# Altium PCB KASLI-DIOT-CPU.PcbDoc (part 1 of 5) (continued)
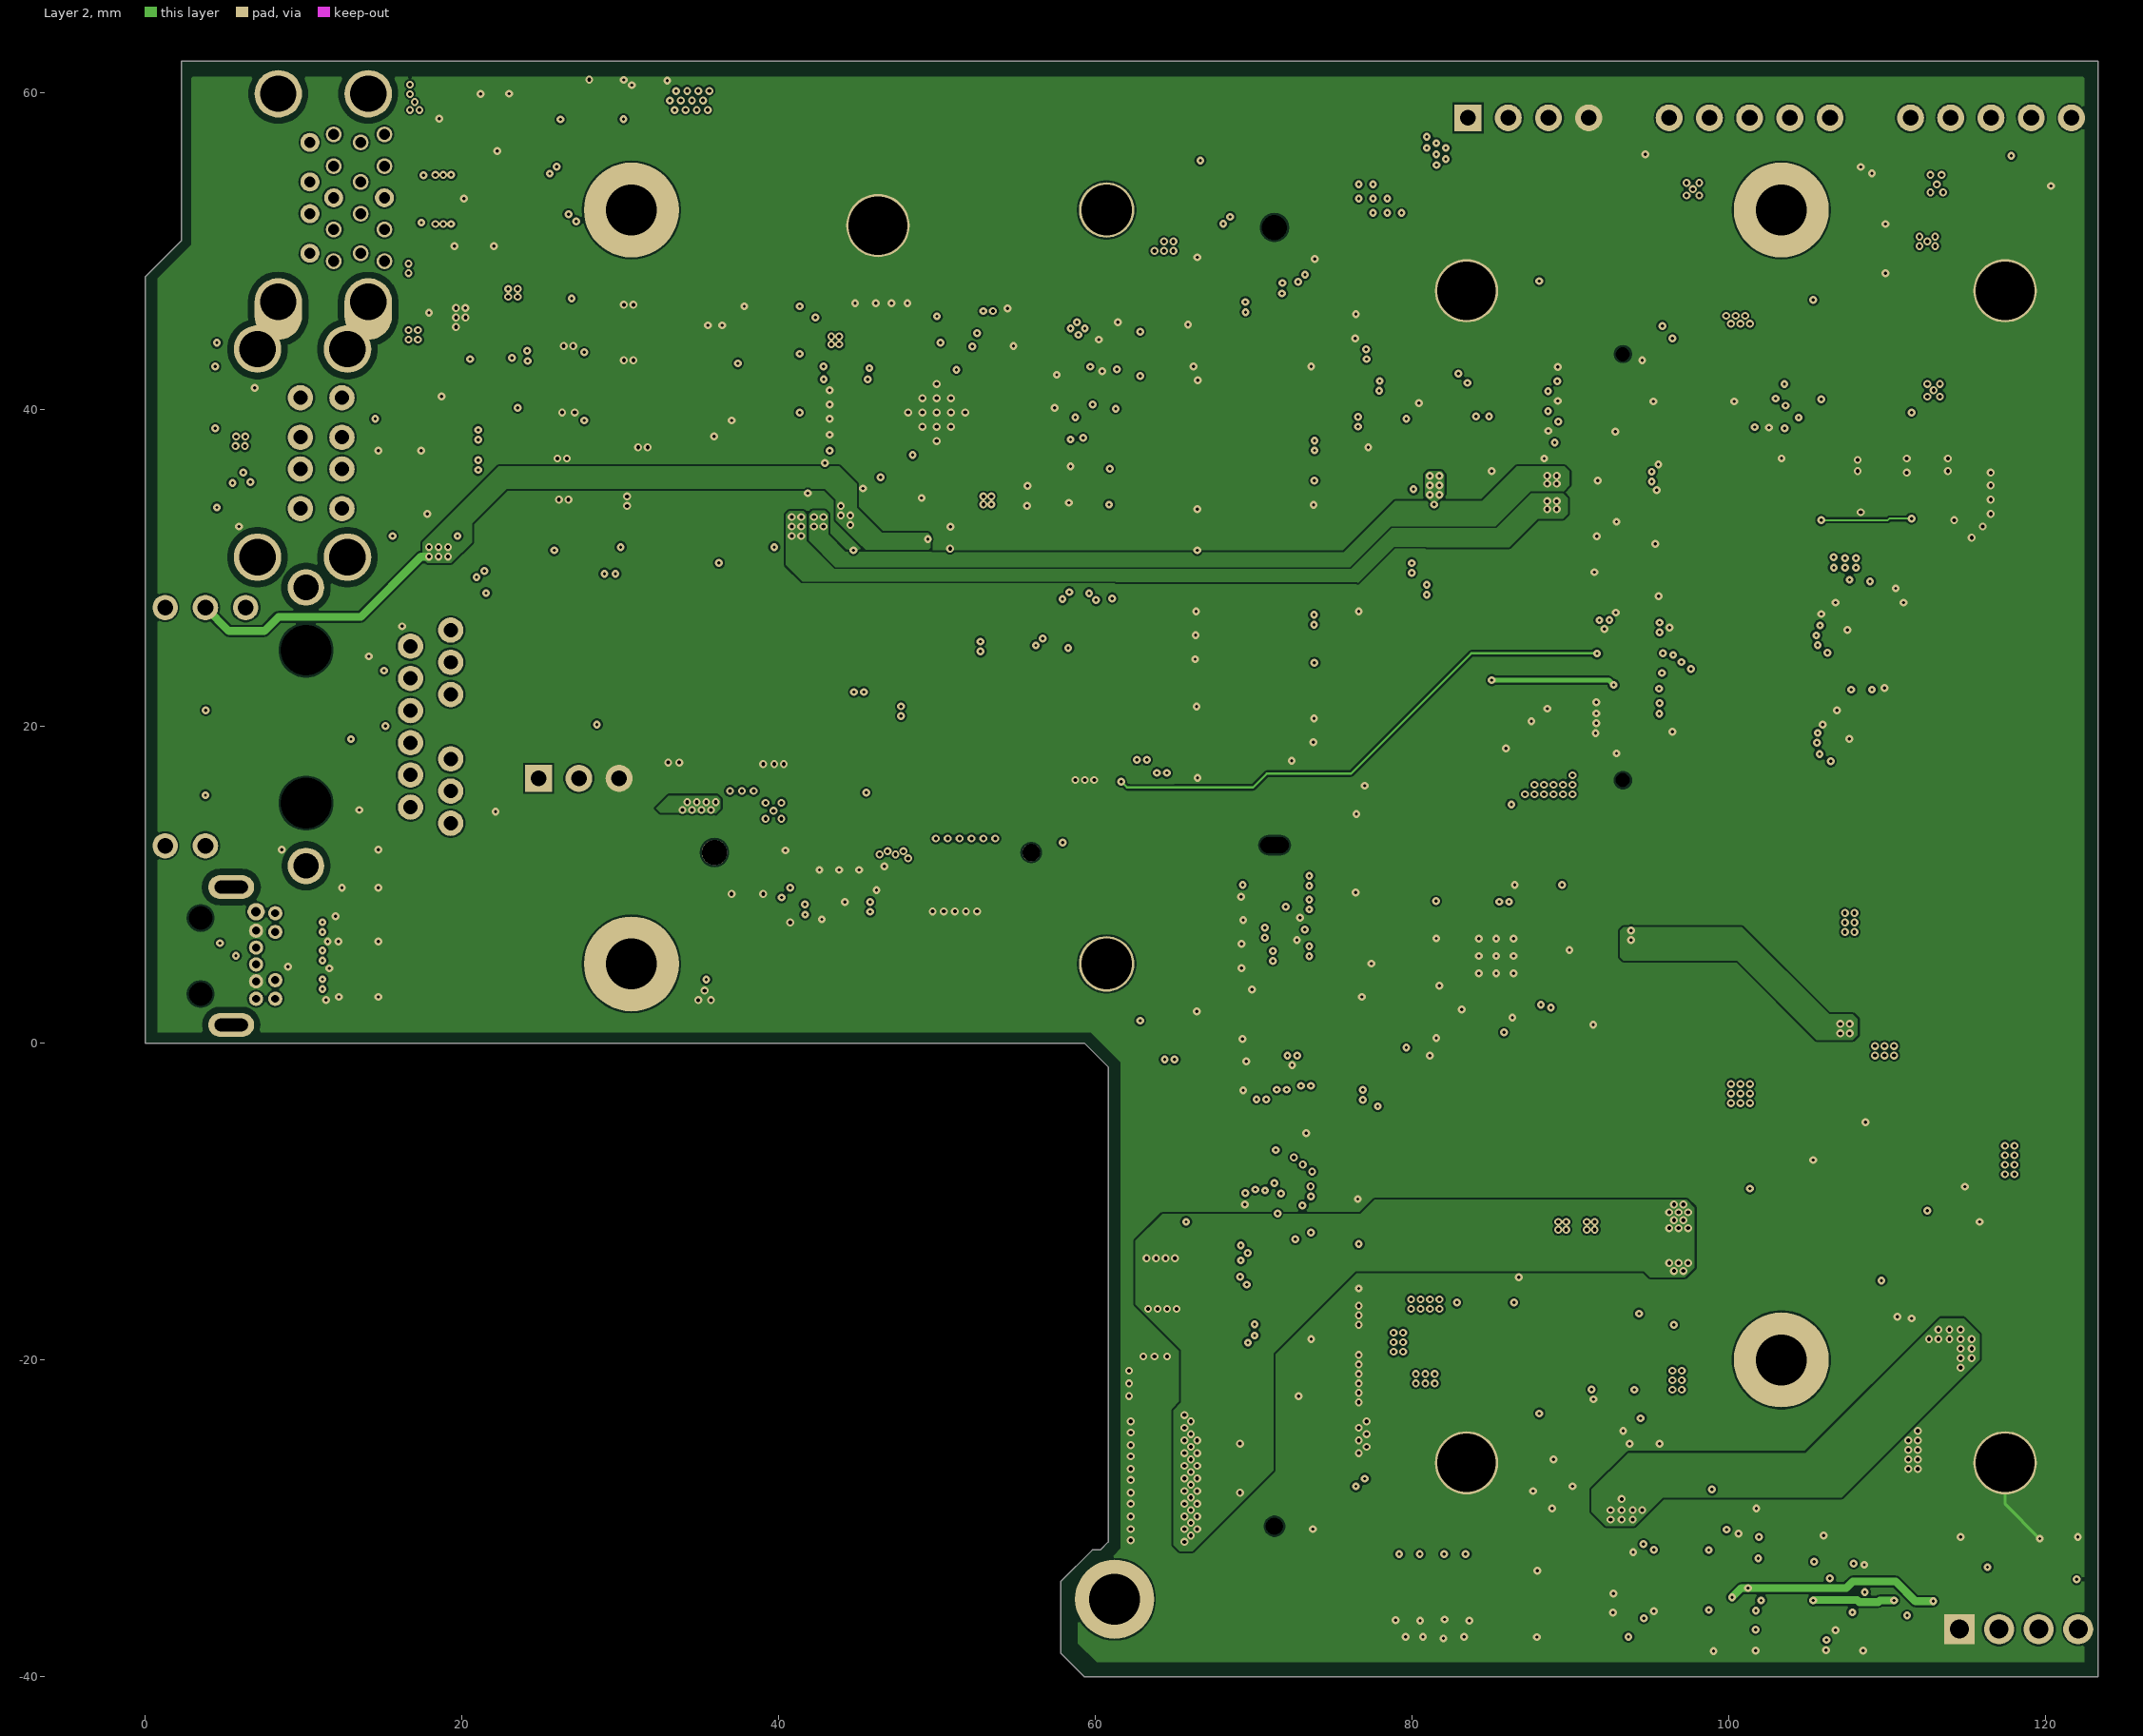
[diagram p3: Layer 2]
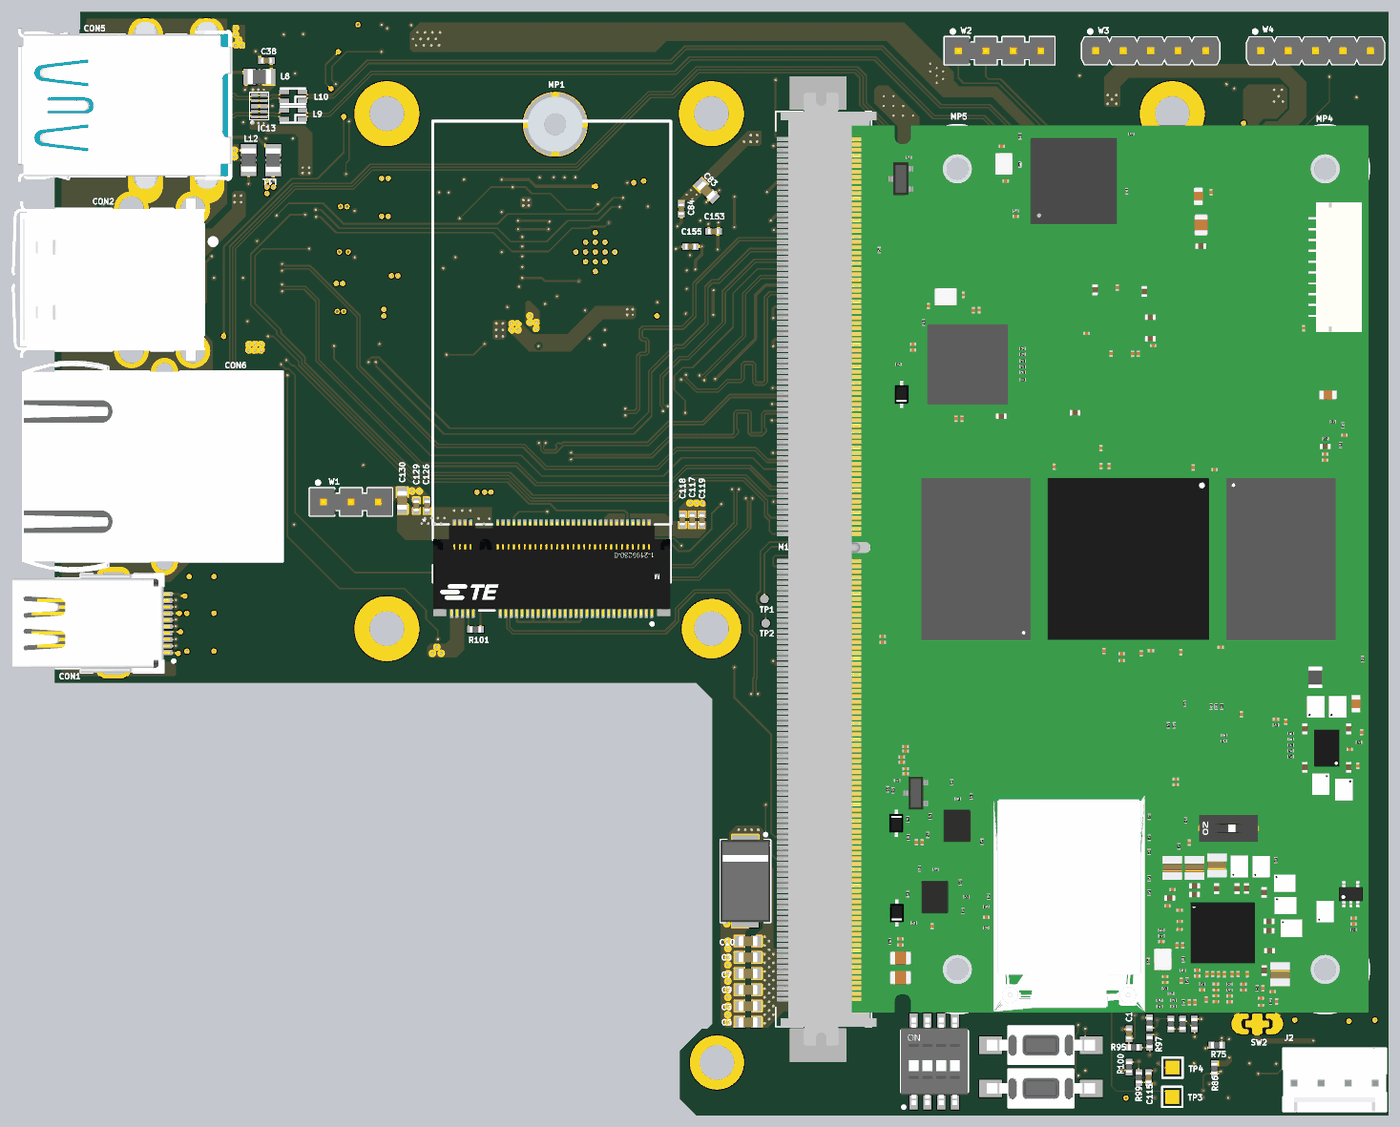
[diagram p8: 3D render of the assembled board from above, using the file's embedded part models]
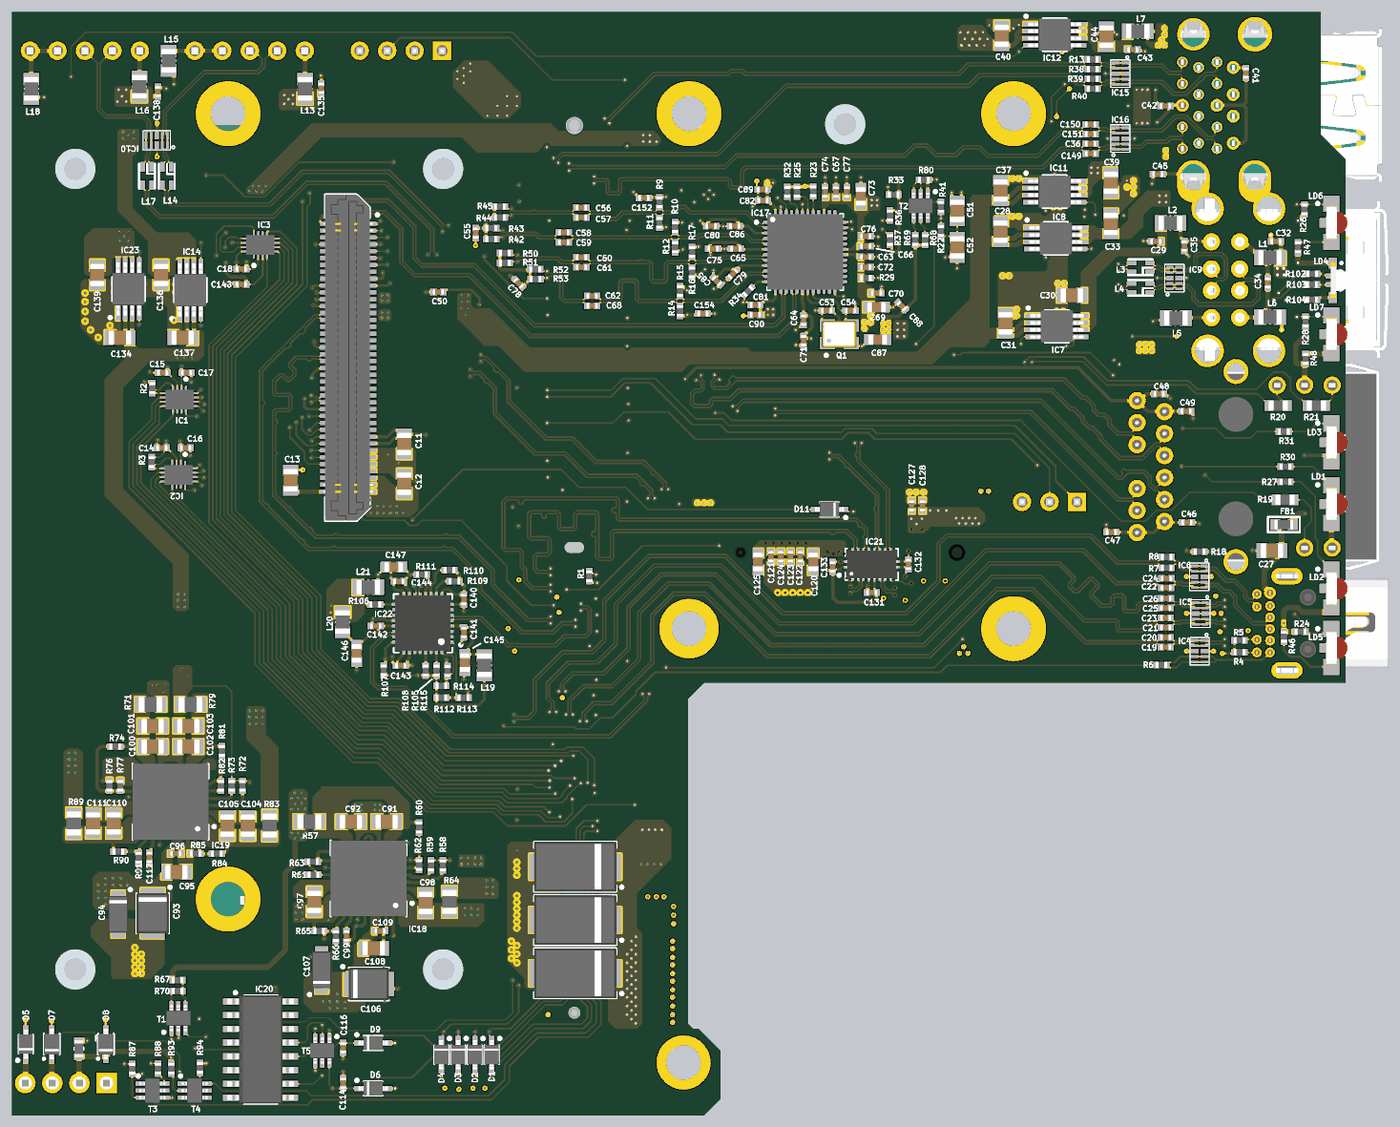
[diagram p9: 3D render of the assembled board from below, using the file's embedded part models]

## Layer stack, top to bottom
Top Solder: solder mask 0.0102, Solder Resist, Dk 3.7
Top Layer: signal copper 0.018
Dielectric 4: prepreg 0.099, PP-006, Dk 4.3
Layer 1: signal copper 0.035
Dielectric 1: dielectric 1.267, FR-4, Dk 4.8
Layer 2: signal copper 0.035
Dielectric 5: prepreg 0.099, PP-006, Dk 4.3
Bottom Layer: signal copper 0.018
Bottom Solder: solder mask 0.0102, Solder Resist, Dk 3.7

## Board outline
57.8,-38.5 59.3,-40 123.3,-40 123.3,62 2.3,62 2.3,50.675 0,48.375 0,0 59.3,0 60.8,-1.5 60.8,-31.5 60.3,-32 59.8,-32 57.8,-34

## Design rules (kind name [scope] priority, off if disabled: settings)
BoardOutlineClearance [InNet('SHIELD')  or InNetClass('1000BASET') or InNetClass('D100') or InNetClass('DIFF_100') or InNetClass('PWR')] p1: gap=0.4 ignorepadtopadclearanceinfootprint=FALSE except(0: Arc-SplitContinuation Track-SplitContinuation SMDPad-SplitContinuation THPad-SplitContinuation Via-SplitContinuation Fill-SplitContinuation Poly-SplitContinuation Region-SplitContinuation Text-SplitContinuation; 0.6: Poly-OutlineEdge Poly-CavityEdge Poly-CutoutEdge Poly-SplitBarrior)
Clearance Clearance_SHIELD [InNet('SHIELD')] p1: gap=0.4 ignorepadtopadclearanceinfootprint=FALSE
Clearance [All] p2: gap=0.12 ignorepadtopadclearanceinfootprint=FALSE
ComponentClearance [All] p1: gap=0.2 collisioncheckmode=3 verticalgap=0.2 showdistances=FALSE donotcheckwithout3dbody=TRUE
DiffPairsRouting [All] p1: maxlimit=0.254 minlimit=0.12 mostfreqgap=0.254 toplayer_prefgap=0.12 toplayer_minwidth=0.15 toplayer_maxwidth=5454.608 toplayer_prefwidth=0.15 bottomlayer_prefgap=0.12 bottomlayer_minwidth=0.15 bottomlayer_maxwidth=5454.608 bottomlayer_prefwidth=0.15 impedanceprofiledriven=TRUE impedanceprofileid={BAE25699-927C-4FAE-A42E-B4FBD304CA77} impedanceprofilevalue=90.000000 maxuncoupledlength=12.7
HoleSize [All] p1: absolutevalues=TRUE maxlimit=4 minlimit=0.2 maxpercent=80.000 minpercent=20.000
HoleToHoleClearance [All] p1: gap=0.25 allowstackedmicrovias=TRUE
MinimumSolderMaskSliver [All] p1: minsoldermaskwidth=0
PolygonConnect PolygonConnect_pwr [InNetClass('PWR')] p1: connectstyle=Direct reliefconductorwidth=0.254 reliefentries=4 polygonreliefangle="90 Angle" airgapwidth=0.254
PolygonConnect PolygonConnect_shld [InNet('SHIELD')] p2: connectstyle=Direct reliefconductorwidth=0.254 reliefentries=4 polygonreliefangle="90 Angle" airgapwidth=0.254
PolygonConnect [All] p3: thpad.connectstyle=Relief thpad.reliefconductorwidth=0.5 thpad.reliefentries=4 thpad.polygonreliefangle="90 Angle" thpad.airgapwidth=0.3 smdpad.connectstyle=Relief smdpad.reliefconductorwidth=0.3 smdpad.reliefentries=4 smdpad.polygonreliefangle="90 Angle" smdpad.airgapwidth=0.2 via.connectstyle=Direct via.reliefconductorwidth=0.3 via.reliefentries=4 via.polygonreliefangle="90 Angle" via.airgapwidth=0.3
RoutingVias [All] p1: holewidth=0.7 width=0.5 viastyle="Through Hole" minholewidth=0.2 minwidth=0.5 maxholewidth=0.3 maxwidth=1.3
SilkToSilkClearance [All] p1: silktosilkclearance=0
SilkToSolderMaskClearance [IsPad] p1: minsilkscreentomaskgap=0 clearancetoexposedcopper=TRUE
SolderMaskExpansion [All] p1: expansion=0.102 istentingtop=FALSE
SupplyNets "Schematic Supply Nets_13" [InNet('P2V5_KASLI')] p1: voltage=0.000
SupplyNets "Schematic Supply Nets_12" [InNet('P1V8')] p2: voltage=0.000
SupplyNets "Schematic Supply Nets_11" [InNet('P2V5')] p3: voltage=0.000
SupplyNets "Schematic Supply Nets_10" [InNet('P3V3')] p4: voltage=0.000
SupplyNets "Schematic Supply Nets_9" [InNet('P3V3_KASLI')] p5: voltage=0.000
SupplyNets "Schematic Supply Nets_8" [InNet('P1V1')] p6: voltage=0.000
SupplyNets "Schematic Supply Nets_7" [InNet('P5V0_SMARC')] p7: voltage=0.000
SupplyNets "Schematic Supply Nets_6" [InNet('GND')] p8: voltage=0.000
SupplyNets "Schematic Supply Nets_5" [InNet('VCC_RTC')] p9: voltage=0.000
SupplyNets "Schematic Supply Nets_4" [InNet('SHIELD')] p10: voltage=0.000
SupplyNets "Schematic Supply Nets_3" [InNet('P12V0_KASLI')] p11: voltage=0.000
SupplyNets "Schematic Supply Nets_2" [InNet('VCC_FAN')] p12: voltage=0.000
SupplyNets "Schematic Supply Nets_1" [InNet('P5V0_USB')] p13: voltage=0.000
SupplyNets "Schematic Supply Nets" [InNet('P5V0_MP')] p14: voltage=0.000
Width [All] p1: maxlimit=1 minlimit=0.12 preferedwidth=0.15
23 further rules are at their usual default settings.

## Classes and differential pairs
component class Kasil_DIOT_x86_board: C45 R18
net class PWR: GND NetC29_2 NetC32_2 NetC38_2 NetC43_2 NetC91_2 NetC97_2 NetC100_2 NetC102_2 NetC104_2 NetC110_2 NetC135_2 NetC138_2 P1V1 P1V8 P2V5 P3V3 P3V3_KASLI P5V0_MP P5V0_SMARC P5V0_USB P12V0_KASLI
net class DIFF_100: M.2_PER0_N M.2_PER0_P M.2_PET0_N M.2_PET0_P PCIe3_CLK_N PCIe3_CLK_P PCIe4_RX_N PCIe4_RX_P PCIe4_TX_N PCIe4_TX_P
net class D100: DP_MDI0_N DP_MDI0_P DP_MDI1_N DP_MDI1_P DP_MDI2_N DP_MDI2_P DP_MDI3_N DP_MDI3_P
net class 1000BASET: DP_MDI0_N DP_MDI0_P DP_MDI1_N DP_MDI1_P DP_MDI2_N DP_MDI2_P DP_MDI3_N DP_MDI3_P GBE1_MDI0_N GBE1_MDI0_P GBE1_MDI1_N GBE1_MDI1_P GBE1_MDI2_N GBE1_MDI2_P GBE1_MDI3_N GBE1_MDI3_P
component class U_SMARC_CON: C1 C2 C3 C4 C5 C6 C7 C8 C9 C10 M1 MP1 MP2 MP3 MP4 R1 TP1 TP2 W1 W2
component class U_PCIe_MUX_CLK: C140 C141 C142 C143 C144 C145 C146 C147 D11 IC22 L19 L20 L21 R105 R106 R107 R108 R109 R110 R111 R112 R113 R114 R115
component class U_M.2_NVME_CON: * C117 C118 C119 C120 C121 C122 C123 C124 C125 C126 C127 C128 C129 C130 C131 C132 C133 IC21 LD4 MP5 R101 R102 R103 R104
component class U_LOCAL_PWR: C91 C92 C93 C94 C95 C96 C97 C98 C99 C100 C101 C102 C103 C104 C105 C106 C107 C108 C109 C110 C111 C112 C113 C114 C115 C116 D1 D2 D3 D4 D5 D6 D7 D8 D9 F1 IC18 IC19 IC20 J2 PB1 PB2 R57 R58 R59 R60 R61 R62 R63 R64 R65 R66 R67 R68 R69 R70 R71 R72 R73 R74 R75 R76 R77 R78 R79 R80 R81 R82 R83 R84 R85 R86 R87 R88 R89 R90 R91 R92 R93 R94 R95 R96 R97 R98 R99 R100 SW1 SW2 T1 T2 T3 T4 T5 TP3 TP4
component class U_KASLI_CON: C11 C12 C13 C14 C15 C16 C17 C18 C148 IC1 IC2 IC3 J1 R2 R3
component class U_DualUSB3.0_CON: C36 C37 C38 C39 C40 C41 C42 C43 C44 C149 C150 C151 CON5 IC11 IC12 IC13 IC15 IC16 L7 L8 L9 L10 L11 L12 R13 R38 R39 R40
component class U_DualUSB2.0_HDR: C134 C135 C136 C137 C138 C139 IC10 IC14 IC23 L13 L14 L15 L16 L17 L18 W3 W4
component class U_DualUSB2.0_CON: C28 C29 C30 C31 C32 C33 C34 C35 CON2 IC7 IC8 IC9 L1 L2 L3 L4 L5 L6
component class U_DualETH_CON: C46 C47 C48 C49 C50 C51 C52 C53 C54 C55 C56 C57 C58 C59 C60 C61 C62 C63 C64 C65 C66 C67 C68 C69 C70 C71 C72 C73 C74 C75 C76 C77 C78 C79 C80 C81 C82 C83 C84 C85 C86 C87 C88 C89 C90 C152 C153 C154 C155 CON6 IC17 LD1 LD2 LD3 LD5 LD6 LD7 Q1 R9 R10 R11 R12 R14 R15 R16 R17 R19 R20 R21 R22 R23 R24 R25 R26 R27 R28 R29 R30 R31 R32 R33 R34 R36 R37 R41 R42 R43 R44 R45 R46 R47 R48 R50 R51 R52 R53
component class U_DisplayPort_CON: C19 C20 C21 C22 C23 C24 C25 C26 C27 CON1 FB1 IC4 IC5 IC6 R4 R5 R6 R7 R8
differential pair USB_3_TX: +USB_3_TX_P -USB_3_TX_N
differential pair USB_3_RX: +USB_3_RX_P -USB_3_RX_N
differential pair USB_2_TX: +USB_2_TX_P -USB_2_TX_N
differential pair USB_2_RX: +USB_2_RX_P -USB_2_RX_N
differential pair XUSB_3_TX: +XUSB_3_TX_P -XUSB_3_TX_N
differential pair XUSB_3_RX: +XUSB_3_RX_P -XUSB_3_RX_N
differential pair XUSB_2_TX: +XUSB_2_TX_P -XUSB_2_TX_N
differential pair XUSB_2_RX: +XUSB_2_RX_P -XUSB_2_RX_N
differential pair XUSB_5: +XUSB_5_P -XUSB_5_N
differential pair XUSB_4: +XUSB_4_P -XUSB_4_N
differential pair XUSB_3: +XUSB_3_P -XUSB_3_N
differential pair XUSB_2: +XUSB_2_P -XUSB_2_N
differential pair XUSB_1: +XUSB_1_P -XUSB_1_N
differential pair XUSB_0: +XUSB_0_P -XUSB_0_N
differential pair USB_5: +USB_5_P -USB_5_N
differential pair USB_4: +USB_4_P -USB_4_N
differential pair USB_3: +USB_3_P -USB_3_N
differential pair USB_2: +USB_2_P -USB_2_N
differential pair USB_1: +USB_1_P -USB_1_N
differential pair USB_0: +USB_0_P -USB_0_N
differential pair SFPTX: +SFPTX_P -SFPTX_N
differential pair SFPRX: +SFPRX_P -SFPRX_N
differential pair SATA0_TX: +SATA0_TX_P -SATA0_TX_N
differential pair SATA0_RX: +SATA0_RX_P -SATA0_RX_N
differential pair PCIe_CLK: +PCIe_CLK_P -PCIe_CLK_N
differential pair PCIe4_TX: +PCIe4_TX_P -PCIe4_TX_N
differential pair PCIe4_RX: +PCIe4_RX_P -PCIe4_RX_N
differential pair PCIe4_CLK: +PCIe4_CLK_P -PCIe4_CLK_N
differential pair PCIe3_TX: +PCIe3_TX_P -PCIe3_TX_N
differential pair PCIe3_RX: +PCIe3_RX_P -PCIe3_RX_N
differential pair PCIe3_CLK: +PCIe3_CLK_P -PCIe3_CLK_N
differential pair PCIe2_TX: +PCIe2_TX_P -PCIe2_TX_N
differential pair PCIe2_RX: +PCIe2_RX_P -PCIe2_RX_N
differential pair PCIe2_CLK: +PCIe2_CLK_P -PCIe2_CLK_N
differential pair PCIe1_TX: +PCIe1_TX_P -PCIe1_TX_N
differential pair PCIe1_RX: +PCIe1_RX_P -PCIe1_RX_N
differential pair PCIe1_CLK: +PCIe1_CLK_P -PCIe1_CLK_N
differential pair M.2_PET0: +M.2_PET0_P -M.2_PET0_N
differential pair M.2_PER0: +M.2_PER0_P -M.2_PER0_N
differential pair GBE1_MDI3: +GBE1_MDI3_P -GBE1_MDI3_N
differential pair GBE1_MDI2: +GBE1_MDI2_P -GBE1_MDI2_N
differential pair GBE1_MDI1: +GBE1_MDI1_P -GBE1_MDI1_N
differential pair GBE1_MDI0: +GBE1_MDI0_P -GBE1_MDI0_N
differential pair GBE0_MDI3: +GBE0_MDI3_P -GBE0_MDI3_N
differential pair GBE0_MDI2: +GBE0_MDI2_P -GBE0_MDI2_N
differential pair GBE0_MDI1: +GBE0_MDI1_P -GBE0_MDI1_N
differential pair GBE0_MDI0: +GBE0_MDI0_P -GBE0_MDI0_N
differential pair DPB_CN_LANE3: +DPB_CN_LANE3_P -DPB_CN_LANE3_N
differential pair DPB_CN_LANE2: +DPB_CN_LANE2_P -DPB_CN_LANE2_N
differential pair DPB_CN_LANE1: +DPB_CN_LANE1_P -DPB_CN_LANE1_N
differential pair DPB_CN_LANE0: +DPB_CN_LANE0_P -DPB_CN_LANE0_N
differential pair DPB_AUX: +DPB_AUX_P -DPB_AUX_N
differential pair DP_MDI3: +DP_MDI3_P -DP_MDI3_N
differential pair DP_MDI2: +DP_MDI2_P -DP_MDI2_N
differential pair DP_MDI1: +DP_MDI1_P -DP_MDI1_N
differential pair DP_MDI0: +DP_MDI0_P -DP_MDI0_N
differential pair DDI1_PAIR3: +DDI1_PAIR3_P -DDI1_PAIR3_N
differential pair DDI1_PAIR2: +DDI1_PAIR2_P -DDI1_PAIR2_N
differential pair DDI1_PAIR1: +DDI1_PAIR1_P -DDI1_PAIR1_N
differential pair DDI1_PAIR0: +DDI1_PAIR0_P -DDI1_PAIR0_N
differential pair DDI1_CTRL_AUX: +DDI1_CTRL_AUX_P -DDI1_CTRL_AUX_N
differential pair DDI0_PAIR3: +DDI0_PAIR3_P -DDI0_PAIR3_N
differential pair DDI0_PAIR2: +DDI0_PAIR2_P -DDI0_PAIR2_N
differential pair DDI0_PAIR1: +DDI0_PAIR1_P -DDI0_PAIR1_N
differential pair DDI0_PAIR0: +DDI0_PAIR0_P -DDI0_PAIR0_N
differential pair DDI0_CTRL_AUX: +DDI0_CTRL_AUX_P -DDI0_CTRL_AUX_N

## Components (designator, comment, footprint, x,y, rotation, side; value= is the part's Value field where it differs from the comment)
* "M.2 Socket Key M" FP-1-2199230-6-MFG 45.94,10.658 r180 top locked
C1 "100uF" CAPMP7343X310N 71.22,-17.008 r0 bottom
C2 "100uF" CAPMP7343X310N 63.845,-18.333 r270 top
C3 "100uF" CAPMP7343X310N 71.22,-26.858 r0 bottom
C4 "100uF" CAPMP7343X310N 71.22,-21.933 r0 bottom
C5 "10uF" CAPC1608X80N 64.095,-29.883 r0 top
C6 "10uF" CAPC1608X80N 64.095,-31.383 r0 top
C7 "10uF" CAPC1608X80N 64.095,-26.883 r0 top
C8 "10uF" CAPC1608X80N 64.095,-25.383 r0 top
C9 "10uF" CAPC1608X80N 64.095,-28.383 r0 top
C10 "10uF" CAPC1608X80N 64.095,-23.883 r0 top
C11 "22uF" CAPC2012X135N 87.02,22.067 r90 bottom
C12 "22uF" CAPC2012X135N 87.02,18.392 r270 bottom
C13 "22uF" CAPC2012X135N 97.52,18.717 r270 bottom
C14 "100nF" CAPC1005X55N 109.425,21.717 r180 bottom
C15 "100nF" CAPC1005X55N 109.35,28.667 r180 bottom
C16 "100nF" CAPC1005X55N 107.225,21.717 r0 bottom
C17 "100nF" CAPC1005X55N 107.15,28.667 r0 bottom
C18 "100nF" CAPC1005X55N 102.07,38.242 r180 bottom
C19 "100nF" CAPC1005X55N 16.65,3.3 r180 bottom
C20 "100nF" CAPC1005X55N 16.65,4.2 r180 bottom
C21 "100nF" CAPC1005X55N 16.65,5.1 r180 bottom
C22 "100nF" CAPC1005X55N 16.595,8.792 r180 bottom
C23 "100nF" CAPC1005X55N 16.65,6 r180 bottom
C24 "100nF" CAPC1005X55N 16.57,9.642 r180 bottom
C25 "100nF" CAPC1005X55N 16.65,6.9 r180 bottom
C26 "100nF" CAPC1005X55N 16.62,7.792 r180 bottom
C27 "22uF" CAPC2012X135N 6.82,12.217 r180 bottom
C28 "10uF" CAPC2012X135N 31.9,41.7 r270 bottom
C29 "100nF" CAPC1005X55N 17.55,40.8 r180 bottom
C30 "10uF" CAPC2012X135N 25.32,35.817 r180 bottom
C31 "10uF" CAPC2012X135N 31.445,33.217 r270 bottom
C32 "100nF" CAPC1005X55N 6.45,40.8 r180 bottom
C33 "10uF" CAPC2012X135N 21.72,42.417 r270 bottom
C34 "100nF" CAPC1005X55N 7.22,36.967 r270 bottom
C35 "100nF" CAPC1005X55N 14.92,40.367 r270 bottom
C36 "100nF" CAPC1005X55N 23.58,49.817 r180 bottom
C37 "10uF" CAPC2012X135N 31.9,45.5 r270 bottom
C38 "100nF" CAPC1005X55N 19.57,57.517 r0 top
C39 "10uF" CAPC2012X135N 21.72,46.217 r90 bottom
C40 "10uF" CAPC2012X135N 31.8,59.8 r270 bottom
C41 "100nF" CAPC1005X55N 9.22,56.367 r270 bottom
C42 "100nF" CAPC1005X55N 16.67,53.317 r180 bottom
C43 "100nF" CAPC1005X55N 19.676,58.522 r0 bottom
C44 "10uF" CAPC2012X135N 22.12,59.717 r270 bottom
C45 "100nF" CAPC1005X55N 17.37,47.017 r180 bottom
C46 "100nF" CAPC1005X55N 14.67,14.817 r0 bottom
C47 "100nF" CAPC1005X55N 21.67,13.917 r180 bottom
C48 "100nF" CAPC1005X55N 17.25,26.7 r0 bottom
C49 "100nF" CAPC1005X55N 14.75,25.1 r0 bottom
C50 "100nF" CAPC1005X55N 83.87,36.117 r180 bottom
C51 "22uF" CAPC2012X135N 35.92,43.617 r270 bottom
C52 "22uF" CAPC2012X135N 35.92,40.242 r90 bottom
C53 "18pF" CAPC1005X55N 47.97,34.417 r180 bottom
C54 "18pF" CAPC1005X55N 45.77,34.417 r0 bottom
C55 "10nF" CAPC1005X55N 80.42,41.567 r270 bottom
C56 "100nF" CAPC1005X55N 70.645,43.917 r0 bottom
C57 "100nF" CAPC1005X55N 70.645,43.017 r0 bottom
C58 "100nF" CAPC1005X55N 72.27,41.617 r0 bottom
C59 "100nF" CAPC1005X55N 72.27,40.717 r0 bottom
C60 "100nF" CAPC1005X55N 70.645,39.317 r0 bottom
C61 "100nF" CAPC1005X55N 70.645,38.417 r0 bottom
C62 "100nF" CAPC1005X55N 69.66,35.747 r0 bottom
C63 "100nF" CAPC1005X55N 44.37,39.367 r0 bottom
C64 "100nF" CAPC1005X55N 50.12,33.517 r90 bottom
C65 "100nF" CAPC1005X55N 56.37,40.117 r180 bottom
C66 "100nF" CAPC1005X55N 44.37,40.367 r0 bottom
C67 "100nF" CAPC1005X55N 47.12,45.367 r270 bottom
C68 "100nF" CAPC1005X55N 69.66,34.847 r0 bottom
C69 "10uF" CAPC1608X80N 43.37,34.717 r0 bottom
C70 "10nF" CAPC1005X55N 43.37,36.017 r0 bottom
C71 "1uF" CAPC1005X55N 50.12,31.617 r90 bottom
C72 "1uF" CAPC1005X55N 44.37,38.417 r0 bottom
C73 "10uF" CAPC1608X80N 44.82,44.967 r270 bottom
C74 "10nF" CAPC1005X55N 48.12,45.367 r270 bottom
C75 "1uF" CAPC1005X55N 58.47,40.117 r0 bottom
C76 "1uF" CAPC1005X55N 44.37,41.267 r0 bottom
C77 "1uF" CAPC1005X55N 46.12,45.367 r270 bottom
C78 "10nF" CAPC1005X55N 76.438,36.935 r225 bottom
C79 "100nF" CAPC1005X55N 56.638,37.798 r135 bottom
C80 "100nF" CAPC1005X55N 58.66,42.217 r0 bottom
C81 "100nF" CAPC1005X55N 54.57,34.917 r180 bottom
C82 "100nF" CAPC1005X55N 53.87,44.567 r180 bottom
C83 "10uF" CAPC1608X80N 60.25,45.486 r135 top
C84 "10nF" CAPC1005X55N 57.92,43.767 r90 top
C85 "1uF" CAPC1005X55N 58.138,37.135 r45 bottom
C86 "1uF" CAPC1005X55N 56.47,42.217 r180 bottom
C87 "10uF" CAPC1608X80N 43.27,31.717 r180 bottom
C88 "10nF" CAPC1005X55N 41.039,34.834 r225 bottom
C89 "1uF" CAPC1005X55N 53.92,45.617 r180 bottom
C90 "1uF" CAPC1005X55N 54.57,34.017 r180 bottom
C91 "22uF" CAPC2012X135N 88.65,-12.85 r180 bottom
C92 "22uF" CAPC2012X135N 91.95,-12.85 r0 bottom
C93 "33uF" CAPMP3528X210N 110.275,-21.3 r270 bottom
C94 "10uF" CAPMP3216X180N 113.475,-21.4 r270 bottom
C95 "22uF" CAPC2012X135N 108.075,-17.5 r0 bottom
C96 "100nF" CAPC1005X55N 108.125,-15.8 r0 bottom
C97 "22uF" CAPC2012X135N 95.35,-20.25 r270 bottom
C98 "22uF" CAPC2012X135N 85.05,-20.35 r270 bottom
C99 "1uF" CAPC1005X55N 92.35,-23.4 r90 bottom
C100 "22uF" CAPC2012X135N 110.275,-5.9 r0 bottom
C101 "22uF" CAPC2012X135N 110.275,-4 r0 bottom
C102 "22uF" CAPC2012X135N 106.975,-5.9 r180 bottom
C103 "22uF" CAPC2012X135N 106.975,-4 r180 bottom
C104 "22uF" CAPC2012X135N 101.475,-13.2 r270 bottom
C105 "22uF" CAPC2012X135N 103.375,-13.2 r270 bottom
C106 "33uF" CAPMP3528X210N 90.3,-27.85 r180 bottom
C107 "10uF" CAPMP3216X180N 94.65,-26.55 r90 bottom
C108 "22uF" CAPC2012X135N 89.85,-24.55 r0 bottom
C109 "100nF" CAPC1005X55N 89.25,-22.95 r0 bottom
C110 "22uF" CAPC2012X135N 113.875,-13 r270 bottom
C111 "22uF" CAPC2012X135N 115.775,-13 r270 bottom
C112 "1uF" CAPC1005X55N 110.575,-16.15 r90 bottom
C113 "1uF" CAPC1005X55N 99.295,-32.433 r90 top
C114 "100nF" CAPC1005X55N 92.67,-37.033 r270 bottom
C115 "1uF" CAPC1005X55N 101.1,-36.5 r90 top
C116 "100nF" CAPC1005X55N 92.67,-33.733 r90 bottom
C117 "10nF" CAPC1005X55N 58.92,15.067 r90 top
C118 "10nF" CAPC1005X55N 58.02,15.067 r90 top
C119 "1uF" CAPC1005X55N 59.82,15.067 r90 top
C120 "10uF" CAPC1608X80N 49.22,11.167 r270 bottom
C121 "10nF" CAPC1005X55N 53.12,11.667 r90 bottom
C122 "10nF" CAPC1005X55N 50.42,11.667 r90 bottom
C123 "10nF" CAPC1005X55N 51.32,11.667 r90 bottom
C124 "1uF" CAPC1005X55N 52.22,11.667 r90 bottom
C125 "10uF" CAPC1608X80N 54.32,11.167 r90 bottom
C126 "10nF" CAPC1005X55N 34.42,16.367 r270 top
C127 "10nF" CAPC1005X55N 40.12,16.367 r270 bottom
C128 "10nF" CAPC1005X55N 39.12,16.367 r270 bottom
C129 "1uF" CAPC1005X55N 33.42,16.367 r270 top
C130 "10uF" CAPC1608X80N 32.12,16.867 r270 top
C131 "100nF" CAPC1005X55N 43.82,8.342 r180 bottom
C132 "100nF" CAPC1005X55N 40.42,10.942 r270 bottom
C133 "100nF" CAPC1005X55N 47.42,10.717 r270 bottom
C134 "10uF" CAPC2012X135N 113.3,31.9 r180 bottom
C135 "100nF" CAPC1005X55N 94.7,54.95 r270 bottom
C136 "10uF" CAPC2012X135N 109.5,37.7 r90 bottom
C137 "10uF" CAPC2012X135N 107.5,31.9 r180 bottom
C138 "100nF" CAPC1005X55N 109.8,54.65 r270 bottom
C139 "10uF" CAPC2012X135N 115.4,37.7 r90 bottom
C140 "100nF" CAPC1005X55N 81.5,7.7 r90 bottom
C141 "100nF" CAPC1005X55N 81.5,4.65 r90 bottom
C142 "100nF" CAPC1005X55N 89.65,5.25 r180 bottom
C143 "100nF" CAPC1005X55N 87.35,1.6 r0 bottom
C144 "100nF" CAPC1005X55N 87.525,9.375 r0 bottom
C145 "10uF" CAPC1608X80N 81.42,1.867 r90 bottom
C146 "10uF" CAPC1608X80N 91.42,2.717 r90 bottom
C147 "10uF" CAPC1608X80N 88,10.7 r0 bottom
C148 "100nF" CAPC1005X55N 102.07,36.817 r180 bottom
C149 "100nF" CAPC1005X55N 23.58,48.917 r180 bottom
C150 "100nF" CAPC1005X55N 23.58,51.617 r180 bottom